# KiCad board haptic display 8x8 aisler.kicad_pcb (continued)
## Routing (per net, layer and track width the routed paths; a pad name or vN(x,y) marks a point on that pad's centre or on a via; arc(x,y) is an arc through that point) (continued)
  In2.Cu w0.15: 65.41,123.98 65.36,123.96 65,123.6 65,123.55 64.79,123.56 64.59,123.6 64.39,123.67 64.2,123.76 64.03,123.88 63.88,124.03 63.75,124.19 63.64,124.38 63.56,124.58 63.51,124.79 63.49,125 63.5,125.22 63.54,125.43 63.61,125.64 63.71,125.83 63.84,126.01 63.99,126.17 64.16,126.31 64.35,126.42 64.56,126.5 64.78,126.55 65,126.58 65.22,126.56 65.45,126.52 65.66,126.45 65.86,126.34 66.05,126.21 66.22,126.05 66.36,125.87 66.47,125.67 66.56,125.46 66.62,125.23 66.64,125 66.63,124.77 66.58,124.54 66.51,124.31 66.4,124.1 66.26,123.91 66.09,123.74 65.91,123.59 65.7,123.47 65.48,123.38 65.24,123.32 65,123.3 64.78,123.31 64.56,123.35 64.34,123.41 64.14,123.51 63.95,123.63 63.78,123.78 63.62,123.94 63.49,124.13 63.39,124.33 63.31,124.55 63.26,124.77 63.24,125 63.25,125.23 63.29,125.46 63.36,125.68 63.46,125.89 63.58,126.09 63.73,126.27 63.9,126.43 64.1,126.56 64.31,126.67 64.53,126.75 64.76,126.8 65,126.83 65.24,126.81 65.48,126.77 65.7,126.7 65.92,126.6 66.13,126.47 66.31,126.31 66.48,126.13 66.62,125.93 66.73,125.72 66.81,125.49 66.87,125.25 66.89,125 66.88,124.75 66.83,124.51 66.76,124.27 66.65,124.05 66.52,123.84 66.36,123.64 66.17,123.47 65.96,123.33 65.74,123.21 65.5,123.13 65.25,123.07 65,123.05 64.76,123.06 64.53,123.1 64.3,123.16 64.08,123.26 63.88,123.38 63.69,123.52 63.52,123.68 63.36,123.87 63.24,124.07 63.13,124.29 63.06,124.52 63.01,124.76 62.99,125 63,125.24 63.04,125.48 63.1,125.72 63.2,125.94 63.32,126.16 63.47,126.35 63.64,126.53 63.83,126.69 64.04,126.82 64.27,126.93 64.51,127.01 64.75,127.06 65,127.08 65.25,127.06 65.5,127.02 65.74,126.95 65.97,126.85 66.19,126.73 66.4,126.57 66.58,126.4 66.74,126.2 66.88,125.98 66.99,125.75 67.07,125.51 67.12,125.26 67.14,125 67.13,124.74 67.08,124.49 67.01,124.24 66.91,124 66.78,123.77 66.62,123.56 66.44,123.37 66.24,123.21 66.01,123.07 65.78,122.96 65.52,122.87 65.26,122.82 65,122.8 64.75,122.81 64.51,122.85 64.27,122.91 64.04,123 63.82,123.12 63.61,123.26 63.42,123.42 63.25,123.61 63.1,123.81 62.98,124.03 62.88,124.26 62.8,124.5 62.76,124.75 62.74,125 62.75,125.25 62.79,125.51 62.85,125.75 62.95,125.99 63.07,126.22 63.21,126.43 63.38,126.62 63.57,126.8 63.77,126.95 64,127.08 64.24,127.18 64.48,127.26 64.74,127.31 65,127.33 65.26,127.31 65.52,127.28 65.77,127.21 66.02,127.11 66.25,126.99 66.47,126.84 66.67,126.67 66.85,126.47 67,126.26 67.13,126.03 67.24,125.78 67.32,125.53 67.37,125.27 67.39,125 67.38,124.73 67.34,124.47 67.27,124.21 67.17,123.96 67.04,123.72 66.89,123.49 66.71,123.29 66.51,123.11 66.29,122.94 66.06,122.81 65.8,122.7 65.54,122.62 65.27,122.57 65,122.55 64.74,122.56 64.49,122.6 64.24,122.66 64,122.75 63.76,122.86 63.55,123 63.34,123.16 63.15,123.34 62.99,123.54 62.84,123.75 62.72,123.98 62.62,124.23 62.55,124.48 62.51,124.74 62.49,125 62.5,125.26 62.53,125.52 62.6,125.78 62.69,126.03 62.81,126.27 62.95,126.49 63.11,126.7 63.3,126.89 63.5,127.06 63.72,127.21 63.96,127.34 64.21,127.44 64.47,127.51 64.73,127.56 65,127.58 65.27,127.57 65.54,127.53 65.8,127.46 66.05,127.37 66.3,127.25 66.53,127.1 66.74,126.94 66.94,126.75 67.11,126.54 67.27,126.31 67.39,126.07 67.5,125.81 67.57,125.55 67.62,125.28 67.64,125 67.63,124.72 67.59,124.45 67.52,124.18 67.42,123.92 67.3,123.67 67.15,123.44 66.98,123.22 66.79,123.02 66.57,122.84 66.34,122.68 66.09,122.55 65.83,122.44 65.56,122.37 65.28,122.32 65,122.3 64.73,122.31 64.47,122.34 64.21,122.41 63.96,122.49 63.72,122.6 63.49,122.74 63.27,122.89 63.07,123.07 62.89,123.26 62.72,123.48 62.58,123.71 62.46,123.95 62.37,124.2 62.3,124.46 62.25,124.73 62.24,125 62.25,125.27 62.28,125.54 62.35,125.81 62.43,126.06 62.55,126.31 62.68,126.55 62.84,126.77 63.02,126.98 63.23,127.16 63.44,127.33 63.68,127.47 63.92,127.6 64.18,127.69 64.45,127.76 64.72,127.81 65,127.83 65.28,127.82 65.55,127.78 65.82,127.71 66.09,127.62 66.34,127.51 66.58,127.37 66.81,127.2 67.02,127.02 67.21,126.81 67.38,126.59 67.53,126.35 67.65,126.1 67.75,125.83 67.82,125.56 67.87,125.28 67.89,125 67.88,124.72 67.84,124.44 67.77,124.16 67.68,123.89 67.56,123.63 67.42,123.38 67.25,123.15 67.06,122.94 66.85,122.74 66.63,122.57 66.38,122.42 66.12,122.29 65.85,122.19 65.57,122.11 65.29,122.07 65,122.05 64.73,122.06 64.46,122.09 64.19,122.15 63.93,122.24 63.68,122.34 63.44,122.47 63.21,122.63 62.99,122.8 62.8,122.99 62.62,123.2 62.46,123.43 62.32,123.67 62.2,123.92 62.11,124.18 62.05,124.45 62,124.72 61.99,125 62,125.28 62.03,125.55 62.09,125.83 62.18,126.09 62.29,126.35 62.42,126.6 62.58,126.83 62.75,127.05 62.95,127.25 63.16,127.43 63.39,127.6 63.64,127.74 63.89,127.85 64.16,127.95 64.44,128.02 64.72,128.06 65,128.07 65.28,128.07 65.57,128.03 65.84,127.97 66.12,127.88 66.38,127.77 66.63,127.63 66.87,127.47 67.09,127.29 67.3,127.09 67.48,126.88 67.65,126.64 67.79,126.39 67.91,126.13 68.01,125.86 68.08,125.58 68.12,125.29 68.14,125 68.13,124.71 68.09,124.42 68.03,124.14 67.94,123.86 67.83,123.59 67.69,123.34 67.52,123.09 67.34,122.87 67.14,122.66 66.91,122.47 66.67,122.3 66.42,122.15 66.15,122.03 65.87,121.93 65.59,121.86 65.29,121.82 65,121.8 64.72,121.81 64.44,121.84 64.17,121.9 63.9,121.98 63.64,122.08 63.39,122.21 63.15,122.36 62.93,122.53 62.72,122.72 62.52,122.92 62.35,123.14 62.19,123.38 62.06,123.63 61.95,123.89 61.86,124.16 61.79,124.43 61.75,124.72 61.74,125 61.75,125.28 61.78,125.57 61.84,125.85 61.92,126.12 62.03,126.39 62.16,126.64 62.31,126.89 62.48,127.11 62.67,127.33 62.88,127.53 63.11,127.7 63.35,127.86 63.6,128 63.87,128.11 64.14,128.2 64.42,128.27 64.71,128.31 65,128.32 65.29,128.32 65.58,128.28 65.86,128.22 66.14,128.14 66.41,128.03 66.67,127.9 66.92,127.74 67.16,127.57 67.37,127.37 67.57,127.16 67.75,126.93 67.92,126.68 68.05,126.42 68.17,126.15 68.26,125.87 68.33,125.59 68.37,125.29 68.39,125 68.38,124.7 68.34,124.41 68.28,124.12 68.2,123.84 68.09,123.56 67.95,123.3 67.79,123.04 67.62,122.8 67.42,122.58 67.2,122.38 66.96,122.19 66.71,122.03 66.45,121.89 66.18,121.77 65.89,121.68 65.6,121.61 65.3,121.57 65,121.55 64.71,121.56 64.43,121.59 64.15,121.65 63.88,121.72 63.61,121.83 63.35,121.95 63.1,122.09 62.86,122.26 62.64,122.44 62.44,122.64 62.25,122.86 62.08,123.09 61.93,123.34 61.8,123.6 61.69,123.86 61.6,124.14 61.54,124.42 61.5,124.71 61.49,125 61.5,125.29 61.53,125.58 61.59,125.86 61.67,126.14 61.77,126.42 61.89,126.68 62.04,126.93 62.21,127.17 62.39,127.4 62.6,127.61 62.82,127.8 63.06,127.97 63.31,128.13 63.57,128.26 63.84,128.37 64.12,128.46 64.41,128.52 64.71,128.56 65,128.57 65.3,128.57 65.59,128.53 65.88,128.48 66.17,128.39 66.44,128.29 66.71,128.16 66.97,128.01 67.21,127.84 67.44,127.65 67.65,127.44 67.85,127.22 68.03,126.98 68.18,126.72 68.32,126.45 68.43,126.18 68.52,125.89 68.58,125.6 68.62,125.3 68.64,125 68.63,124.7 68.59,124.4 68.54,124.1 68.45,123.81 68.35,123.53 68.22,123.26 68.06,123 67.89,122.75 67.7,122.52 67.49,122.3 67.26,122.1 67.01,121.92 66.75,121.76 66.48,121.63 66.2,121.51 65.91,121.42 65.61,121.36 65.31,121.32 65,121.3 64.71,121.31 64.42,121.34 64.13,121.39 63.85,121.47 63.58,121.57 63.31,121.69 63.06,121.83 62.81,121.99 62.58,122.17 62.36,122.36 62.16,122.57 61.98,122.8 61.81,123.05 61.66,123.3 61.54,123.57 61.43,123.84 61.35,124.12 61.29,124.41 61.25,124.71 61.24,125 61.25,125.3 61.28,125.59 61.33,125.88 61.41,126.17 61.51,126.45 61.63,126.72 61.77,126.98 61.94,127.23 62.12,127.46 62.32,127.68 62.53,127.89 62.77,128.07 63.01,128.24 63.27,128.39 63.54,128.52 63.82,128.63 64.11,128.71 64.4,128.77 64.7,128.81 65,128.82 65.3,128.82 65.6,128.78 65.9,128.73 66.19,128.65 66.47,128.55 66.75,128.42 67.01,128.28 67.26,128.11 67.5,127.93 67.73,127.73 67.93,127.51 68.12,127.27 68.3,127.02 68.45,126.76 68.58,126.48 68.69,126.2 68.77,125.91 68.83,125.61 68.87,125.3 68.89,125 68.88,124.69 68.85,124.39 68.79,124.09 68.71,123.79 68.61,123.51 68.48,123.23 68.33,122.96 68.17,122.7 67.98,122.46 67.77,122.23 67.55,122.02 67.31,121.82 67.05,121.65 66.78,121.5 66.51,121.37 66.22,121.26 65.92,121.17 65.62,121.1 65.31,121.07 65,121.05 64.7,121.06 64.41,121.09 64.12,121.14 63.83,121.21 63.55,121.31 63.28,121.43 63.01,121.56 62.76,121.72 62.52,121.89 62.29,122.08 62.08,122.29 61.88,122.51 61.7,122.75 61.54,123 61.4,123.27 61.28,123.54 61.18,123.82 61.1,124.11 61.04,124.4 61,124.7 60.99,125 61,125.3 61.03,125.6 61.08,125.89 61.15,126.19 61.25,126.47 61.37,126.75 61.51,127.02 61.67,127.27 61.84,127.52 62.04,127.75 62.25,127.97 62.48,128.17 62.72,128.35 62.97,128.51 63.24,128.66 63.52,128.78 63.8,128.88 64.1,128.96 64.39,129.02 64.7,129.06 65,129.07 65.3,129.07 65.61,129.04 65.91,128.98 66.2,128.91 66.49,128.81 66.78,128.69 67.05,128.55 67.31,128.39 67.56,128.21 67.79,128.01 68.01,127.79 68.21,127.56 68.4,127.32 68.57,127.06 68.71,126.79 68.84,126.51 68.94,126.22 69.03,125.92 69.09,125.62 69.12,125.31 69.14,125 69.13,124.69 69.1,124.38 69.04,124.08 68.97,123.78 68.87,123.48 68.74,123.2 68.6,122.92 68.44,122.66 68.26,122.4 68.05,122.17 67.84,121.94 67.6,121.74 67.35,121.55 67.09,121.38 66.81,121.23 66.53,121.1 66.23,121 65.93,120.91 65.63,120.85 65.31,120.81 65,120.8 64.7,120.81 64.4,120.84 64.11,120.89 63.81,120.96 63.53,121.05 63.25,121.16 62.98,121.3 62.72,121.45 62.47,121.62 62.23,121.8 62.01,122.01 61.8,122.23 61.61,122.46 61.43,122.71 61.28,122.97 61.14,123.24 61.02,123.52 60.92,123.8 60.84,124.1 60.79,124.39 60.75,124.7 60.74,125 60.75,125.3 60.78,125.61 60.83,125.91 60.9,126.2 60.99,126.49 61.11,126.78 61.24,127.05 61.4,127.32 61.57,127.57 61.76,127.81 61.96,128.04 62.19,128.25 62.42,128.44 62.67,128.62 62.94,128.78 63.21,128.92 63.49,129.04 63.78,129.14 64.08,129.22 64.39,129.28 64.69,129.31 65,129.32 65.31,129.32 65.62,129.29 65.92,129.23 66.22,129.16 66.52,129.07 66.8,128.95 67.08,128.81 67.35,128.66 67.61,128.48 67.85,128.29 68.08,128.08 68.29,127.85 68.49,127.61 68.67,127.36 68.83,127.09 68.98,126.82 69.1,126.53 69.2,126.23 69.28,125.93 69.34,125.62 69.37,125.31 69.39,125 69.38,124.69 69.35,124.37 69.3,124.07 69.22,123.76 69.12,123.46 69.01,123.17 68.87,122.89 68.71,122.62 68.53,122.36 68.34,122.11 68.12,121.88 67.9,121.66 67.65,121.46 67.39,121.28 67.12,121.11 66.84,120.97 66.55,120.84 66.25,120.74 65.94,120.66 65.63,120.6 65.32,120.56 65,120.55 65,120.35 v1(65.35,120) ; 65.41,108.98 65.36,108.96 65,108.6 65,108.55 64.79,108.56 64.59,108.6 64.39,108.67 64.2,108.76 64.03,108.88 63.88,109.03 63.75,109.19 63.64,109.38 63.56,109.58 63.51,109.79 63.49,110 63.5,110.22 63.54,110.43 63.61,110.64 63.71,110.83 63.84,111.01 63.99,111.17 64.16,111.31 64.35,111.42 64.56,111.5 64.78,111.55 65,111.58 65.22,111.56 65.45,111.52 65.66,111.45 65.86,111.34 66.05,111.21 66.22,111.05 66.36,110.87 66.47,110.67 66.56,110.46 66.62,110.23 66.64,110 66.63,109.77 66.58,109.54 66.51,109.31 66.4,109.1 66.26,108.91 66.09,108.74 65.91,108.59 65.7,108.47 65.48,108.38 65.24,108.32 65,108.3 64.78,108.31 64.56,108.35 64.34,108.41 64.14,108.51 63.95,108.63 63.78,108.78 63.62,108.94 63.49,109.13 63.39,109.33 63.31,109.55 63.26,109.77 63.24,110 63.25,110.23 63.29,110.46 63.36,110.68 63.46,110.89 63.58,111.09 63.73,111.27 63.9,111.43 64.1,111.56 64.31,111.67 64.53,111.75 64.76,111.8 65,111.83 65.24,111.81 65.48,111.77 65.7,111.7 65.92,111.6 66.13,111.47 66.31,111.31 66.48,111.13 66.62,110.93 66.73,110.72 66.81,110.49 66.87,110.25 66.89,110 66.88,109.75 66.83,109.51 66.76,109.27 66.65,109.05 66.52,108.84 66.36,108.64 66.17,108.47 65.96,108.33 65.74,108.21 65.5,108.13 65.25,108.07 65,108.05 64.76,108.06 64.53,108.1 64.3,108.16 64.08,108.26 63.88,108.38 63.69,108.52 63.52,108.68 63.36,108.87 63.24,109.07 63.13,109.29 63.06,109.52 63.01,109.76 62.99,110 63,110.24 63.04,110.48 63.1,110.72 63.2,110.94 63.32,111.16 63.47,111.35 63.64,111.53 63.83,111.69 64.04,111.82 64.27,111.93 64.51,112.01 64.75,112.06 65,112.08 65.25,112.06 65.5,112.02 65.74,111.95 65.97,111.85 66.19,111.73 66.4,111.57 66.58,111.4 66.74,111.2 66.88,110.98 66.99,110.75 67.07,110.51 67.12,110.26 67.14,110 67.13,109.74 67.08,109.49 67.01,109.24 66.91,109 66.78,108.77 66.62,108.56 66.44,108.37 66.24,108.21 66.01,108.07 65.78,107.96 65.52,107.87 65.26,107.82 65,107.8 64.75,107.81 64.51,107.85 64.27,107.91 64.04,108 63.82,108.12 63.61,108.26 63.42,108.42 63.25,108.61 63.1,108.81 62.98,109.03 62.88,109.26 62.8,109.5 62.76,109.75 62.74,110 62.75,110.25 62.79,110.51 62.85,110.75 62.95,110.99 63.07,111.22 63.21,111.43 63.38,111.62 63.57,111.8 63.77,111.95 64,112.08 64.24,112.18 64.48,112.26 64.74,112.31 65,112.33 65.26,112.31 65.52,112.28 65.77,112.21 66.02,112.11 66.25,111.99 66.47,111.84 66.67,111.67 66.85,111.47 67,111.26 67.13,111.03 67.24,110.78 67.32,110.53 67.37,110.27 67.39,110 67.38,109.73 67.34,109.47 67.27,109.21 67.17,108.96 67.04,108.72 66.89,108.49 66.71,108.29 66.51,108.11 66.29,107.94 66.06,107.81 65.8,107.7 65.54,107.62 65.27,107.57 65,107.55 64.74,107.56 64.49,107.6 64.24,107.66 64,107.75 63.76,107.86 63.55,108 63.34,108.16 63.15,108.34 62.99,108.54 62.84,108.75 62.72,108.98 62.62,109.23 62.55,109.48 62.51,109.74 62.49,110 62.5,110.26 62.53,110.52 62.6,110.78 62.69,111.03 62.81,111.27 62.95,111.49 63.11,111.7 63.3,111.89 63.5,112.06 63.72,112.21 63.96,112.34 64.21,112.44 64.47,112.51 64.73,112.56 65,112.58 65.27,112.57 65.54,112.53 65.8,112.46 66.05,112.37 66.3,112.25 66.53,112.1 66.74,111.94 66.94,111.75 67.11,111.54 67.27,111.31 67.39,111.07 67.5,110.81 67.57,110.55 67.62,110.28 67.64,110 67.63,109.72 67.59,109.45 67.52,109.18 67.42,108.92 67.3,108.67 67.15,108.44 66.98,108.22 66.79,108.02 66.57,107.84 66.34,107.68 66.09,107.55 65.83,107.44 65.56,107.37 65.28,107.32 65,107.3 64.73,107.31 64.47,107.34 64.21,107.41 63.96,107.49 63.72,107.6 63.49,107.74 63.27,107.89 63.07,108.07 62.89,108.26 62.72,108.48 62.58,108.71 62.46,108.95 62.37,109.2 62.3,109.46 62.25,109.73 62.24,110 62.25,110.27 62.28,110.54 62.35,110.81 62.43,111.06 62.55,111.31 62.68,111.55 62.84,111.77 63.02,111.98 63.23,112.16 63.44,112.33 63.68,112.47 63.92,112.6 64.18,112.69 64.45,112.76 64.72,112.81 65,112.83 65.28,112.82 65.55,112.78 65.82,112.71 66.09,112.62 66.34,112.51 66.58,112.37 66.81,112.2 67.02,112.02 67.21,111.81 67.38,111.59 67.53,111.35 67.65,111.1 67.75,110.83 67.82,110.56 67.87,110.28 67.89,110 67.88,109.72 67.84,109.44 67.77,109.16 67.68,108.89 67.56,108.63 67.42,108.38 67.25,108.15 67.06,107.94 66.85,107.74 66.63,107.57 66.38,107.42 66.12,107.29 65.85,107.19 65.57,107.11 65.29,107.07 65,107.05 64.73,107.06 64.46,107.09 64.19,107.15 63.93,107.24 63.68,107.34 63.44,107.47 63.21,107.63 62.99,107.8 62.8,107.99 62.62,108.2 62.46,108.43 62.32,108.67 62.2,108.92 62.11,109.18 62.05,109.45 62,109.72 61.99,110 62,110.28 62.03,110.55 62.09,110.83 62.18,111.09 62.29,111.35 62.42,111.6 62.58,111.83 62.75,112.05 62.95,112.25 63.16,112.43 63.39,112.6 63.64,112.74 63.89,112.85 64.16,112.95 64.44,113.02 64.72,113.06 65,113.08 65.28,113.07 65.57,113.03 65.84,112.97 66.12,112.88 66.38,112.77 66.63,112.63 66.87,112.47 67.09,112.29 67.3,112.09 67.48,111.88 67.65,111.64 67.79,111.39 67.91,111.13 68.01,110.86 68.08,110.58 68.12,110.29 68.14,110 68.13,109.71 68.09,109.42 68.03,109.14 67.94,108.86 67.83,108.59 67.69,108.34 67.52,108.09 67.34,107.87 67.14,107.66 66.91,107.47 66.67,107.3 66.42,107.15 66.15,107.03 65.87,106.93 65.59,106.86 65.29,106.82 65,106.8 64.72,106.81 64.44,106.84 64.17,106.9 63.9,106.98 63.64,107.08 63.39,107.21 63.15,107.36 62.93,107.53 62.72,107.72 62.52,107.92 62.35,108.14 62.19,108.38 62.06,108.63 61.95,108.89 61.86,109.16 61.79,109.43 61.75,109.72 61.74,110 61.75,110.28 61.78,110.57 61.84,110.85 61.92,111.12 62.03,111.39 62.16,111.64 62.31,111.89 62.48,112.11 62.67,112.33 62.88,112.53 63.11,112.7 63.35,112.86 63.6,113 63.87,113.11 64.14,113.2 64.42,113.27 64.71,113.31 65,113.33 65.29,113.32 65.58,113.28 65.86,113.22 66.14,113.14 66.41,113.03 66.67,112.9 66.92,112.74 67.16,112.57 67.37,112.37 67.57,112.16 67.75,111.93 67.92,111.68 68.05,111.42 68.17,111.15 68.26,110.87 68.33,110.59 68.37,110.29 68.39,110 68.38,109.7 68.34,109.41 68.28,109.12 68.2,108.84 68.09,108.56 67.95,108.3 67.79,108.04 67.62,107.8 67.42,107.58 67.2,107.38 66.96,107.19 66.71,107.03 66.45,106.89 66.18,106.77 65.89,106.68 65.6,106.61 65.3,106.57 65,106.55 64.71,106.56 64.43,106.59 64.15,106.65 63.88,106.72 63.61,106.83 63.35,106.95 63.1,107.09 62.86,107.26 62.64,107.44 62.44,107.64 62.25,107.86 62.08,108.09 61.93,108.34 61.8,108.6 61.69,108.86 61.6,109.14 61.54,109.42 61.5,109.71 61.49,110 61.5,110.29 61.53,110.58 61.59,110.86 61.67,111.14 61.77,111.42 61.89,111.68 62.04,111.93 62.21,112.17 62.39,112.4 62.6,112.61 62.82,112.8 63.06,112.97 63.31,113.13 63.57,113.26 63.84,113.37 64.12,113.46 64.41,113.52 64.71,113.56 65,113.58 65.3,113.57 65.59,113.53 65.88,113.48 66.17,113.39 66.44,113.29 66.71,113.16 66.97,113.01 67.21,112.84 67.44,112.65 67.65,112.44 67.85,112.22 68.03,111.98 68.18,111.72 68.32,111.45 68.43,111.18 68.52,110.89 68.58,110.6 68.62,110.3 68.64,110 68.63,109.7 68.59,109.4 68.54,109.1 68.45,108.81 68.35,108.53 68.22,108.26 68.06,108 67.89,107.75 67.7,107.52 67.49,107.3 67.26,107.1 67.01,106.92 66.75,106.76 66.48,106.63 66.2,106.51 65.91,106.42 65.61,106.36 65.31,106.32 65,106.3 64.71,106.31 64.42,106.34 64.13,106.39 63.85,106.47 63.58,106.57 63.31,106.69 63.06,106.83 62.81,106.99 62.58,107.17 62.36,107.36 62.16,107.57 61.98,107.8 61.81,108.05 61.66,108.3 61.54,108.57 61.43,108.84 61.35,109.12 61.29,109.41 61.25,109.71 61.24,110 61.25,110.3 61.28,110.59 61.33,110.88 61.41,111.17 61.51,111.45 61.63,111.72 61.77,111.98 61.94,112.23 62.12,112.46 62.32,112.68 62.53,112.89 62.77,113.07 63.01,113.24 63.27,113.39 63.54,113.52 63.82,113.63 64.11,113.71 64.4,113.77 64.7,113.81 65,113.83 65.3,113.82 65.6,113.78 65.9,113.73 66.19,113.65 66.47,113.55 66.75,113.42 67.01,113.28 67.26,113.11 67.5,112.93 67.73,112.73 67.93,112.51 68.12,112.27 68.3,112.02 68.45,111.76 68.58,111.48 68.69,111.2 68.77,110.91 68.83,110.61 68.87,110.3 68.89,110 68.88,109.69 68.85,109.39 68.79,109.09 68.71,108.79 68.61,108.51 68.48,108.23 68.33,107.96 68.17,107.7 67.98,107.46 67.77,107.23 67.55,107.02 67.31,106.82 67.05,106.65 66.78,106.5 66.51,106.37 66.22,106.26 65.92,106.17 65.62,106.1 65.31,106.07 65,106.05 64.7,106.06 64.41,106.09 64.12,106.14 63.83,106.21 63.55,106.31 63.28,106.43 63.01,106.56 62.76,106.72 62.52,106.89 62.29,107.08 62.08,107.29 61.88,107.51 61.7,107.75 61.54,108 61.4,108.27 61.28,108.54 61.18,108.82 61.1,109.11 61.04,109.4 61,109.7 60.99,110 61,110.3 61.03,110.6 61.08,110.89 61.15,111.19 61.25,111.47 61.37,111.75 61.51,112.02 61.67,112.27 61.84,112.52 62.04,112.75 62.25,112.97 62.48,113.17 62.72,113.35 62.97,113.51 63.24,113.66 63.52,113.78 63.8,113.88 64.1,113.96 64.39,114.02 64.7,114.06 65,114.08 65.3,114.07 65.61,114.04 65.91,113.98 66.2,113.91 66.49,113.81 66.78,113.69 67.05,113.55 67.31,113.39 67.56,113.21 67.79,113.01 68.01,112.79 68.21,112.56 68.4,112.32 68.57,112.06 68.71,111.79 68.84,111.51 68.94,111.22 69.03,110.92 69.09,110.62 69.12,110.31 69.14,110 69.13,109.69 69.1,109.38 69.04,109.08 68.97,108.78 68.87,108.48 68.74,108.2 68.6,107.92 68.44,107.66 68.26,107.4 68.05,107.17 67.84,106.94 67.6,106.74 67.35,106.55 67.09,106.38 66.81,106.23 66.53,106.1 66.23,106 65.93,105.91 65.63,105.85 65.31,105.81 65,105.8 64.7,105.81 64.4,105.84 64.11,105.89 63.81,105.96 63.53,106.05 63.25,106.16 62.98,106.3 62.72,106.45 62.47,106.62 62.23,106.8 62.01,107.01 61.8,107.23 61.61,107.46 61.43,107.71 61.28,107.97 61.14,108.24 61.02,108.52 60.92,108.8 60.84,109.1 60.79,109.39 60.75,109.7 60.74,110 60.75,110.3 60.78,110.61 60.83,110.91 60.9,111.2 60.99,111.49 61.11,111.78 61.24,112.05 61.4,112.32 61.57,112.57 61.76,112.81 61.96,113.04 62.19,113.25 62.42,113.44 62.67,113.62 62.94,113.78 63.21,113.92 63.49,114.04 63.78,114.14 64.08,114.22 64.39,114.28 64.69,114.31 65,114.33 65.31,114.32 65.62,114.29 65.92,114.23 66.22,114.16 66.52,114.07 66.8,113.95 67.08,113.81 67.35,113.66 67.61,113.48 67.85,113.29 68.08,113.08 68.29,112.85 68.49,112.61 68.67,112.36 68.83,112.09 68.98,111.82 69.1,111.53 69.2,111.23 69.28,110.93 69.34,110.62 69.37,110.31 69.39,110 69.38,109.69 69.35,109.37 69.3,109.07 69.22,108.76 69.12,108.46 69.01,108.17 68.87,107.89 68.71,107.62 68.53,107.36 68.34,107.11 68.12,106.88 67.9,106.66 67.65,106.46 67.39,106.28 67.12,106.11 66.84,105.97 66.55,105.84 66.25,105.74 65.94,105.66 65.63,105.6 65.32,105.56 65,105.55 65,105.35 v1(65.35,105) ; 65.41,93.98 65.36,93.96 65,93.6 65,93.55 64.79,93.56 64.59,93.6 64.39,93.67 64.2,93.76 64.03,93.88 63.88,94.03 63.75,94.19 63.64,94.38 63.56,94.58 63.51,94.79 63.49,95 63.5,95.22 63.54,95.43 63.61,95.64 63.71,95.83 63.84,96.01 63.99,96.17 64.16,96.31 64.35,96.42 64.56,96.5 64.78,96.55 65,96.58 65.22,96.56 65.45,96.52 65.66,96.45 65.86,96.34 66.05,96.21 66.22,96.05 66.36,95.87 66.47,95.67 66.56,95.46 66.62,95.23 66.64,95 66.63,94.77 66.58,94.54 66.51,94.31 66.4,94.1 66.26,93.91 66.09,93.74 65.91,93.59 65.7,93.47 65.48,93.38 65.24,93.32 65,93.3 64.78,93.31 64.56,93.35 64.34,93.41 64.14,93.51 63.95,93.63 63.78,93.78 63.62,93.94 63.49,94.13 63.39,94.33 63.31,94.55 63.26,94.77 63.24,95 63.25,95.23 63.29,95.46 63.36,95.68 63.46,95.89 63.58,96.09 63.73,96.27 63.9,96.43 64.1,96.56 64.31,96.67 64.53,96.75 64.76,96.8 65,96.83 65.24,96.81 65.48,96.77 65.7,96.7 65.92,96.6 66.13,96.47 66.31,96.31 66.48,96.13 66.62,95.93 66.73,95.72 66.81,95.49 66.87,95.25 66.89,95 66.88,94.75 66.83,94.51 66.76,94.27 66.65,94.05 66.52,93.84 66.36,93.64 66.17,93.47 65.96,93.33 65.74,93.21 65.5,93.13 65.25,93.07 65,93.05 64.76,93.06 64.53,93.1 64.3,93.16 64.08,93.26 63.88,93.38 63.69,93.52 63.52,93.68 63.36,93.87 63.24,94.07 63.13,94.29 63.06,94.52 63.01,94.76 62.99,95 63,95.24 63.04,95.48 63.1,95.72 63.2,95.94 63.32,96.16 63.47,96.35 63.64,96.53 63.83,96.69 64.04,96.82 64.27,96.93 64.51,97.01 64.75,97.06 65,97.08 65.25,97.06 65.5,97.02 65.74,96.95 65.97,96.85 66.19,96.73 66.4,96.57 66.58,96.4 66.74,96.2 66.88,95.98 66.99,95.75 67.07,95.51 67.12,95.26 67.14,95 67.13,94.74 67.08,94.49 67.01,94.24 66.91,94 66.78,93.77 66.62,93.56 66.44,93.37 66.24,93.21 66.01,93.07 65.78,92.96 65.52,92.87 65.26,92.82 65,92.8 64.75,92.81 64.51,92.85 64.27,92.91 64.04,93 63.82,93.12 63.61,93.26 63.42,93.42 63.25,93.61 63.1,93.81 62.98,94.03 62.88,94.26 62.8,94.5 62.76,94.75 62.74,95 62.75,95.25 62.79,95.51 62.85,95.75 62.95,95.99 63.07,96.22 63.21,96.43 63.38,96.62 63.57,96.8 63.77,96.95 64,97.08 64.24,97.18 64.48,97.26 64.74,97.31 65,97.33 65.26,97.31 65.52,97.28 65.77,97.21 66.02,97.11 66.25,96.99 66.47,96.84 66.67,96.67 66.85,96.47 67,96.26 67.13,96.03 67.24,95.78 67.32,95.53 67.37,95.27 67.39,95 67.38,94.73 67.34,94.47 67.27,94.21 67.17,93.96 67.04,93.72 66.89,93.49 66.71,93.29 66.51,93.11 66.29,92.94 66.06,92.81 65.8,92.7 65.54,92.62 65.27,92.57 65,92.55 64.74,92.56 64.49,92.6 64.24,92.66 64,92.75 63.76,92.86 63.55,93 63.34,93.16 63.15,93.34 62.99,93.54 62.84,93.75 62.72,93.98 62.62,94.23 62.55,94.48 62.51,94.74 62.49,95 62.5,95.26 62.53,95.52 62.6,95.78 62.69,96.03 62.81,96.27 62.95,96.49 63.11,96.7 63.3,96.89 63.5,97.06 63.72,97.21 63.96,97.34 64.21,97.44 64.47,97.51 64.73,97.56 65,97.58 65.27,97.57 65.54,97.53 65.8,97.46 66.05,97.37 66.3,97.25 66.53,97.1 66.74,96.94 66.94,96.75 67.11,96.54 67.27,96.31 67.39,96.07 67.5,95.81 67.57,95.55 67.62,95.28 67.64,95 67.63,94.72 67.59,94.45 67.52,94.18 67.42,93.92 67.3,93.67 67.15,93.44 66.98,93.22 66.79,93.02 66.57,92.84 66.34,92.68 66.09,92.55 65.83,92.44 65.56,92.37 65.28,92.32 65,92.3 64.73,92.31 64.47,92.34 64.21,92.41 63.96,92.49 63.72,92.6 63.49,92.74 63.27,92.89 63.07,93.07 62.89,93.26 62.72,93.48 62.58,93.71 62.46,93.95 62.37,94.2 62.3,94.46 62.25,94.73 62.24,95 62.25,95.27 62.28,95.54 62.35,95.81 62.43,96.06 62.55,96.31 62.68,96.55 62.84,96.77 63.02,96.98 63.23,97.16 63.44,97.33 63.68,97.47 63.92,97.6 64.18,97.69 64.45,97.76 64.72,97.81 65,97.83 65.28,97.82 65.55,97.78 65.82,97.71 66.09,97.62 66.34,97.51 66.58,97.37 66.81,97.2 67.02,97.02 67.21,96.81 67.38,96.59 67.53,96.35 67.65,96.1 67.75,95.83 67.82,95.56 67.87,95.28 67.89,95 67.88,94.72 67.84,94.44 67.77,94.16 67.68,93.89 67.56,93.63 67.42,93.38 67.25,93.15 67.06,92.94 66.85,92.74 66.63,92.57 66.38,92.42 66.12,92.29 65.85,92.19 65.57,92.11 65.29,92.07 65,92.05 64.73,92.06 64.46,92.09 64.19,92.15 63.93,92.24 63.68,92.34 63.44,92.47 63.21,92.63 62.99,92.8 62.8,92.99 62.62,93.2 62.46,93.43 62.32,93.67 62.2,93.92 62.11,94.18 62.05,94.45 62,94.72 61.99,95 62,95.28 62.03,95.55 62.09,95.83 62.18,96.09 62.29,96.35 62.42,96.6 62.58,96.83 62.75,97.05 62.95,97.25 63.16,97.43 63.39,97.6 63.64,97.74 63.89,97.85 64.16,97.95 64.44,98.02 64.72,98.06 65,98.08 65.28,98.07 65.57,98.03 65.84,97.97 66.12,97.88 66.38,97.77 66.63,97.63 66.87,97.47 67.09,97.29 67.3,97.09 67.48,96.88 67.65,96.64 67.79,96.39 67.91,96.13 68.01,95.86 68.08,95.58 68.12,95.29 68.14,95 68.13,94.71 68.09,94.42 68.03,94.14 67.94,93.86 67.83,93.59 67.69,93.34 67.52,93.09 67.34,92.87 67.14,92.66 66.91,92.47 66.67,92.3 66.42,92.15 66.15,92.03 65.87,91.93 65.59,91.86 65.29,91.82 65,91.8 64.72,91.81 64.44,91.84 64.17,91.9 63.9,91.98 63.64,92.08 63.39,92.21 63.15,92.36 62.93,92.53 62.72,92.72 62.52,92.92 62.35,93.14 62.19,93.38 62.06,93.63 61.95,93.89 61.86,94.16 61.79,94.43 61.75,94.72 61.74,95 61.75,95.28 61.78,95.57 61.84,95.85 61.92,96.12 62.03,96.39 62.16,96.64 62.31,96.89 62.48,97.11 62.67,97.33 62.88,97.53 63.11,97.7 63.35,97.86 63.6,98 63.87,98.11 64.14,98.2 64.42,98.27 64.71,98.31 65,98.33 65.29,98.32 65.58,98.28 65.86,98.22 66.14,98.14 66.41,98.03 66.67,97.9 66.92,97.74 67.16,97.57 67.37,97.37 67.57,97.16 67.75,96.93 67.92,96.68 68.05,96.42 68.17,96.15 68.26,95.87 68.33,95.59 68.37,95.29 68.39,95 68.38,94.7 68.34,94.41 68.28,94.12 68.2,93.84 68.09,93.56 67.95,93.3 67.79,93.04 67.62,92.8 67.42,92.58 67.2,92.38 66.96,92.19 66.71,92.03 66.45,91.89 66.18,91.77 65.89,91.68 65.6,91.61 65.3,91.57 65,91.55 64.71,91.56 64.43,91.59 64.15,91.65 63.88,91.72 63.61,91.83 63.35,91.95 63.1,92.09 62.86,92.26 62.64,92.44 62.44,92.64 62.25,92.86 62.08,93.09 61.93,93.34 61.8,93.6 61.69,93.86 61.6,94.14 61.54,94.42 61.5,94.71 61.49,95 61.5,95.29 61.53,95.58 61.59,95.86 61.67,96.14 61.77,96.42 61.89,96.68 62.04,96.93 62.21,97.17 62.39,97.4 62.6,97.61 62.82,97.8 63.06,97.97 63.31,98.13 63.57,98.26 63.84,98.37 64.12,98.46 64.41,98.52 64.71,98.56 65,98.58 65.3,98.57 65.59,98.53 65.88,98.48 66.17,98.39 66.44,98.29 66.71,98.16 66.97,98.01 67.21,97.84 67.44,97.65 67.65,97.44 67.85,97.22 68.03,96.98 68.18,96.72 68.32,96.45 68.43,96.18 68.52,95.89 68.58,95.6 68.62,95.3 68.64,95 68.63,94.7 68.59,94.4 68.54,94.1 68.45,93.81 68.35,93.53 68.22,93.26 68.06,93 67.89,92.75 67.7,92.52 67.49,92.3 67.26,92.1 67.01,91.92 66.75,91.76 66.48,91.63 66.2,91.51 65.91,91.42 65.61,91.36 65.31,91.32 65,91.3 64.71,91.31 64.42,91.34 64.13,91.39 63.85,91.47 63.58,91.57 63.31,91.69 63.06,91.83 62.81,91.99 62.58,92.17 62.36,92.36 62.16,92.57 61.98,92.8 61.81,93.05 61.66,93.3 61.54,93.57 61.43,93.84 61.35,94.12 61.29,94.41 61.25,94.71 61.24,95 61.25,95.3 61.28,95.59 61.33,95.88 61.41,96.17 61.51,96.45 61.63,96.72 61.77,96.98 61.94,97.23 62.12,97.46 62.32,97.68 62.53,97.89 62.77,98.07 63.01,98.24 63.27,98.39 63.54,98.52 63.82,98.63 64.11,98.71 64.4,98.77 64.7,98.81 65,98.83 65.3,98.82 65.6,98.78 65.9,98.73 66.19,98.65 66.47,98.55 66.75,98.42 67.01,98.28 67.26,98.11 67.5,97.93 67.73,97.73 67.93,97.51 68.12,97.27 68.3,97.02 68.45,96.76 68.58,96.48 68.69,96.2 68.77,95.91 68.83,95.61 68.87,95.3 68.89,95 68.88,94.69 68.85,94.39 68.79,94.09 68.71,93.79 68.61,93.51 68.48,93.23 68.33,92.96 68.17,92.7 67.98,92.46 67.77,92.23 67.55,92.02 67.31,91.82 67.05,91.65 66.78,91.5 66.51,91.37 66.22,91.26 65.92,91.17 65.62,91.1 65.31,91.07 65,91.05 64.7,91.06 64.41,91.09 64.12,91.14 63.83,91.21 63.55,91.31 63.28,91.43 63.01,91.56 62.76,91.72 62.52,91.89 62.29,92.08 62.08,92.29 61.88,92.51 61.7,92.75 61.54,93 61.4,93.27 61.28,93.54 61.18,93.82 61.1,94.11 61.04,94.4 61,94.7 60.99,95 61,95.3 61.03,95.6 61.08,95.89 61.15,96.19 61.25,96.47 61.37,96.75 61.51,97.02 61.67,97.27 61.84,97.52 62.04,97.75 62.25,97.97 62.48,98.17 62.72,98.35 62.97,98.51 63.24,98.66 63.52,98.78 63.8,98.88 64.1,98.96 64.39,99.02 64.7,99.06 65,99.08 65.3,99.07 65.61,99.04 65.91,98.98 66.2,98.91 66.49,98.81 66.78,98.69 67.05,98.55 67.31,98.39 67.56,98.21 67.79,98.01 68.01,97.79 68.21,97.56 68.4,97.32 68.57,97.06 68.71,96.79 68.84,96.51 68.94,96.22 69.03,95.92 69.09,95.62 69.12,95.31 69.14,95 69.13,94.69 69.1,94.38 69.04,94.08 68.97,93.78 68.87,93.48 68.74,93.2 68.6,92.92 68.44,92.66 68.26,92.4 68.05,92.17 67.84,91.94 67.6,91.74 67.35,91.55 67.09,91.38 66.81,91.23 66.53,91.1 66.23,91 65.93,90.91 65.63,90.85 65.31,90.81 65,90.8 64.7,90.81 64.4,90.84 64.11,90.89 63.81,90.96 63.53,91.05 63.25,91.16 62.98,91.3 62.72,91.45 62.47,91.62 62.23,91.8 62.01,92.01 61.8,92.23 61.61,92.46 61.43,92.71 61.28,92.97 61.14,93.24 61.02,93.52 60.92,93.8 60.84,94.1 60.79,94.39 60.75,94.7 60.74,95 60.75,95.3 60.78,95.61 60.83,95.91 60.9,96.2 60.99,96.49 61.11,96.78 61.24,97.05 61.4,97.32 61.57,97.57 61.76,97.81 61.96,98.04 62.19,98.25 62.42,98.44 62.67,98.62 62.94,98.78 63.21,98.92 63.49,99.04 63.78,99.14 64.08,99.22 64.39,99.28 64.69,99.31 65,99.33 65.31,99.32 65.62,99.29 65.92,99.23 66.22,99.16 66.52,99.07 66.8,98.95 67.08,98.81 67.35,98.66 67.61,98.48 67.85,98.29 68.08,98.08 68.29,97.85 68.49,97.61 68.67,97.36 68.83,97.09 68.98,96.82 69.1,96.53 69.2,96.23 69.28,95.93 69.34,95.62 69.37,95.31 69.39,95 69.38,94.69 69.35,94.37 69.3,94.07 69.22,93.76 69.12,93.46 69.01,93.17 68.87,92.89 68.71,92.62 68.53,92.36 68.34,92.11 68.12,91.88 67.9,91.66 67.65,91.46 67.39,91.28 67.12,91.11 66.84,90.97 66.55,90.84 66.25,90.74 65.94,90.66 65.63,90.6 65.32,90.56 65,90.55 65,90.35 v1(65.35,90) ; 65.41,78.98 65.36,78.96 65,78.6 65,78.55 64.79,78.56 64.59,78.6 64.39,78.67 64.2,78.76 64.03,78.88 63.88,79.03 63.75,79.19 63.64,79.38 63.56,79.58 63.51,79.79 63.49,80 63.5,80.22 63.54,80.43 63.61,80.64 63.71,80.83 63.84,81.01 63.99,81.17 64.16,81.31 64.35,81.42 64.56,81.5 64.78,81.55 65,81.58 65.22,81.56 65.45,81.52 65.66,81.45 65.86,81.34 66.05,81.21 66.22,81.05 66.36,80.87 66.47,80.67 66.56,80.46 66.62,80.23 66.64,80 66.63,79.77 66.58,79.54 66.51,79.31 66.4,79.1 66.26,78.91 66.09,78.74 65.91,78.59 65.7,78.47 65.48,78.38 65.24,78.32 65,78.3 64.78,78.31 64.56,78.35 64.34,78.41 64.14,78.51 63.95,78.63 63.78,78.78 63.62,78.94 63.49,79.13 63.39,79.33 63.31,79.55 63.26,79.77 63.24,80 63.25,80.23 63.29,80.46 63.36,80.68 63.46,80.89 63.58,81.09 63.73,81.27 63.9,81.43 64.1,81.56 64.31,81.67 64.53,81.75 64.76,81.8 65,81.83 65.24,81.81 65.48,81.77 65.7,81.7 65.92,81.6 66.13,81.47 66.31,81.31 66.48,81.13 66.62,80.93 66.73,80.72 66.81,80.49 66.87,80.25 66.89,80 66.88,79.75 66.83,79.51 66.76,79.27 66.65,79.05 66.52,78.84 66.36,78.64 66.17,78.47 65.96,78.33 65.74,78.21 65.5,78.13 65.25,78.07 65,78.05 64.76,78.06 64.53,78.1 64.3,78.16 64.08,78.26 63.88,78.38 63.69,78.52 63.52,78.68 63.36,78.87 63.24,79.07 63.13,79.29 63.06,79.52 63.01,79.76 62.99,80 63,80.24 63.04,80.48 63.1,80.72 63.2,80.94 63.32,81.16 63.47,81.35 63.64,81.53 63.83,81.69 64.04,81.82 64.27,81.93 64.51,82.01 64.75,82.06 65,82.08 65.25,82.06 65.5,82.02 65.74,81.95 65.97,81.85 66.19,81.73 66.4,81.57 66.58,81.4 66.74,81.2 66.88,80.98 66.99,80.75 67.07,80.51 67.12,80.26 67.14,80 67.13,79.74 67.08,79.49 67.01,79.24 66.91,79 66.78,78.77 66.62,78.56 66.44,78.37 66.24,78.21 66.01,78.07 65.78,77.96 65.52,77.87 65.26,77.82 65,77.8 64.75,77.81 64.51,77.85 64.27,77.91 64.04,78 63.82,78.12 63.61,78.26 63.42,78.42 63.25,78.61 63.1,78.81 62.98,79.03 62.88,79.26 62.8,79.5 62.76,79.75 62.74,80 62.75,80.25 62.79,80.51 62.85,80.75 62.95,80.99 63.07,81.22 63.21,81.43 63.38,81.62 63.57,81.8 63.77,81.95 64,82.08 64.24,82.18 64.48,82.26 64.74,82.31 65,82.33 65.26,82.31 65.52,82.28 65.77,82.21 66.02,82.11 66.25,81.99 66.47,81.84 66.67,81.67 66.85,81.47 67,81.26 67.13,81.03 67.24,80.78 67.32,80.53 67.37,80.27 67.39,80 67.38,79.73 67.34,79.47 67.27,79.21 67.17,78.96 67.04,78.72 66.89,78.49 66.71,78.29 66.51,78.11 66.29,77.94 66.06,77.81 65.8,77.7 65.54,77.62 65.27,77.57 65,77.55 64.74,77.56 64.49,77.6 64.24,77.66 64,77.75 63.76,77.86 63.55,78 63.34,78.16 63.15,78.34 62.99,78.54 62.84,78.75 62.72,78.98 62.62,79.23 62.55,79.48 62.51,79.74 62.49,80 62.5,80.26 62.53,80.52 62.6,80.78 62.69,81.03 62.81,81.27 62.95,81.49 63.11,81.7 63.3,81.89 63.5,82.06 63.72,82.21 63.96,82.34 64.21,82.44 64.47,82.51 64.73,82.56 65,82.58 65.27,82.57 65.54,82.53 65.8,82.46 66.05,82.37 66.3,82.25 66.53,82.1 66.74,81.94 66.94,81.75 67.11,81.54 67.27,81.31 67.39,81.07 67.5,80.81 67.57,80.55 67.62,80.28 67.64,80 67.63,79.72 67.59,79.45 67.52,79.18 67.42,78.92 67.3,78.67 67.15,78.44 66.98,78.22 66.79,78.02 66.57,77.84 66.34,77.68 66.09,77.55 65.83,77.44 65.56,77.37 65.28,77.32 65,77.3 64.73,77.31 64.47,77.34 64.21,77.41 63.96,77.49 63.72,77.6 63.49,77.74 63.27,77.89 63.07,78.07 62.89,78.26 62.72,78.48 62.58,78.71 62.46,78.95 62.37,79.2 62.3,79.46 62.25,79.73 62.24,80 62.25,80.27 62.28,80.54 62.35,80.81 62.43,81.06 62.55,81.31 62.68,81.55 62.84,81.77 63.02,81.98 63.23,82.16 63.44,82.33 63.68,82.47 63.92,82.6 64.18,82.69 64.45,82.76 64.72,82.81 65,82.83 65.28,82.82 65.55,82.78 65.82,82.71 66.09,82.62 66.34,82.51 66.58,82.37 66.81,82.2 67.02,82.02 67.21,81.81 67.38,81.59 67.53,81.35 67.65,81.1 67.75,80.83 67.82,80.56 67.87,80.28 67.89,80 67.88,79.72 67.84,79.44 67.77,79.16 67.68,78.89 67.56,78.63 67.42,78.38 67.25,78.15 67.06,77.94 66.85,77.74 66.63,77.57 66.38,77.42 66.12,77.29 65.85,77.19 65.57,77.11 65.29,77.07 65,77.05 64.73,77.06 64.46,77.09 64.19,77.15 63.93,77.24 63.68,77.34 63.44,77.47 63.21,77.63 62.99,77.8 62.8,77.99 62.62,78.2 62.46,78.43 62.32,78.67 62.2,78.92 62.11,79.18 62.05,79.45 62,79.72 61.99,80 62,80.28 62.03,80.55 62.09,80.83 62.18,81.09 62.29,81.35 62.42,81.6 62.58,81.83 62.75,82.05 62.95,82.25 63.16,82.43 63.39,82.6 63.64,82.74 63.89,82.85 64.16,82.95 64.44,83.02 64.72,83.06 65,83.08 65.28,83.07 65.57,83.03 65.84,82.97 66.12,82.88 66.38,82.77 66.63,82.63 66.87,82.47 67.09,82.29 67.3,82.09 67.48,81.88 67.65,81.64 67.79,81.39 67.91,81.13 68.01,80.86 68.08,80.58 68.12,80.29 68.14,80 68.13,79.71 68.09,79.42 68.03,79.14 67.94,78.86 67.83,78.59 67.69,78.34 67.52,78.09 67.34,77.87 67.14,77.66 66.91,77.47 66.67,77.3 66.42,77.15 66.15,77.03 65.87,76.93 65.59,76.86 65.29,76.82 65,76.8 64.72,76.81 64.44,76.84 64.17,76.9 63.9,76.98 63.64,77.08 63.39,77.21 63.15,77.36 62.93,77.53 62.72,77.72 62.52,77.92 62.35,78.14 62.19,78.38 62.06,78.63 61.95,78.89 61.86,79.16 61.79,79.43 61.75,79.72 61.74,80 61.75,80.28 61.78,80.57 61.84,80.85 61.92,81.12 62.03,81.39 62.16,81.64 62.31,81.89 62.48,82.11 62.67,82.33 62.88,82.53 63.11,82.7 63.35,82.86 63.6,83 63.87,83.11 64.14,83.2 64.42,83.27 64.71,83.31 65,83.33 65.29,83.32 65.58,83.28 65.86,83.22 66.14,83.14 66.41,83.03 66.67,82.9 66.92,82.74 67.16,82.57 67.37,82.37 67.57,82.16 67.75,81.93 67.92,81.68 68.05,81.42 68.17,81.15 68.26,80.87 68.33,80.59 68.37,80.29 68.39,80 68.38,79.7 68.34,79.41 68.28,79.12 68.2,78.84 68.09,78.56 67.95,78.3 67.79,78.04 67.62,77.8 67.42,77.58 67.2,77.38 66.96,77.19 66.71,77.03 66.45,76.89 66.18,76.77 65.89,76.68 65.6,76.61 65.3,76.57 65,76.55 64.71,76.56 64.43,76.59 64.15,76.65 63.88,76.72 63.61,76.83 63.35,76.95 63.1,77.09 62.86,77.26 62.64,77.44 62.44,77.64 62.25,77.86 62.08,78.09 61.93,78.34 61.8,78.6 61.69,78.86 61.6,79.14 61.54,79.42 61.5,79.71 61.49,80 61.5,80.29 61.53,80.58 61.59,80.86 61.67,81.14 61.77,81.42 61.89,81.68 62.04,81.93 62.21,82.17 62.39,82.4 62.6,82.61 62.82,82.8 63.06,82.97 63.31,83.13 63.57,83.26 63.84,83.37 64.12,83.46 64.41,83.52 64.71,83.56 65,83.58 65.3,83.57 65.59,83.53 65.88,83.48 66.17,83.39 66.44,83.29 66.71,83.16 66.97,83.01 67.21,82.84 67.44,82.65 67.65,82.44 67.85,82.22 68.03,81.98 68.18,81.72 68.32,81.45 68.43,81.18 68.52,80.89 68.58,80.6 68.62,80.3 68.64,80 68.63,79.7 68.59,79.4 68.54,79.1 68.45,78.81 68.35,78.53 68.22,78.26 68.06,78 67.89,77.75 67.7,77.52 67.49,77.3 67.26,77.1 67.01,76.92 66.75,76.76 66.48,76.63 66.2,76.51 65.91,76.42 65.61,76.36 65.31,76.32 65,76.3 64.71,76.31 64.42,76.34 64.13,76.39 63.85,76.47 63.58,76.57 63.31,76.69 63.06,76.83 62.81,76.99 62.58,77.17 62.36,77.36 62.16,77.57 61.98,77.8 61.81,78.05 61.66,78.3 61.54,78.57 61.43,78.84 61.35,79.12 61.29,79.41 61.25,79.71 61.24,80 61.25,80.3 61.28,80.59 61.33,80.88 61.41,81.17 61.51,81.45 61.63,81.72 61.77,81.98 61.94,82.23 62.12,82.46 62.32,82.68 62.53,82.89 62.77,83.07 63.01,83.24 63.27,83.39 63.54,83.52 63.82,83.63 64.11,83.71 64.4,83.77 64.7,83.81 65,83.83 65.3,83.82 65.6,83.78 65.9,83.73 66.19,83.65 66.47,83.55 66.75,83.42 67.01,83.28 67.26,83.11 67.5,82.93 67.73,82.73 67.93,82.51 68.12,82.27 68.3,82.02 68.45,81.76 68.58,81.48 68.69,81.2 68.77,80.91 68.83,80.61 68.87,80.3 68.89,80 68.88,79.69 68.85,79.39 68.79,79.09 68.71,78.79 68.61,78.51 68.48,78.23 68.33,77.96 68.17,77.7 67.98,77.46 67.77,77.23 67.55,77.02 67.31,76.82 67.05,76.65 66.78,76.5 66.51,76.37 66.22,76.26 65.92,76.17 65.62,76.1 65.31,76.07 65,76.05 64.7,76.06 64.41,76.09 64.12,76.14 63.83,76.21 63.55,76.31 63.28,76.43 63.01,76.56 62.76,76.72 62.52,76.89 62.29,77.08 62.08,77.29 61.88,77.51 61.7,77.75 61.54,78 61.4,78.27 61.28,78.54 61.18,78.82 61.1,79.11 61.04,79.4 61,79.7 60.99,80 61,80.3 61.03,80.6 61.08,80.89 61.15,81.19 61.25,81.47 61.37,81.75 61.51,82.02 61.67,82.27 61.84,82.52 62.04,82.75 62.25,82.97 62.48,83.17 62.72,83.35 62.97,83.51 63.24,83.66 63.52,83.78 63.8,83.88 64.1,83.96 64.39,84.02 64.7,84.06 65,84.08 65.3,84.07 65.61,84.04 65.91,83.98 66.2,83.91 66.49,83.81 66.78,83.69 67.05,83.55 67.31,83.39 67.56,83.21 67.79,83.01 68.01,82.79 68.21,82.56 68.4,82.32 68.57,82.06 68.71,81.79 68.84,81.51 68.94,81.22 69.03,80.92 69.09,80.62 69.12,80.31 69.14,80 69.13,79.69 69.1,79.38 69.04,79.08 68.97,78.78 68.87,78.48 68.74,78.2 68.6,77.92 68.44,77.66 68.26,77.4 68.05,77.17 67.84,76.94 67.6,76.74 67.35,76.55 67.09,76.38 66.81,76.23 66.53,76.1 66.23,76 65.93,75.91 65.63,75.85 65.31,75.81 65,75.8 64.7,75.81 64.4,75.84 64.11,75.89 63.81,75.96 63.53,76.05 63.25,76.16 62.98,76.3 62.72,76.45 62.47,76.62 62.23,76.8 62.01,77.01 61.8,77.23 61.61,77.46 61.43,77.71 61.28,77.97 61.14,78.24 61.02,78.52 60.92,78.8 60.84,79.1 60.79,79.39 60.75,79.7 60.74,80 60.75,80.3 60.78,80.61 60.83,80.91 60.9,81.2 60.99,81.49 61.11,81.78 61.24,82.05 61.4,82.32 61.57,82.57 61.76,82.81 61.96,83.04 62.19,83.25 62.42,83.44 62.67,83.62 62.94,83.78 63.21,83.92 63.49,84.04 63.78,84.14 64.08,84.22 64.39,84.28 64.69,84.31 65,84.33 65.31,84.32 65.62,84.29 65.92,84.23 66.22,84.16 66.52,84.07 66.8,83.95 67.08,83.81 67.35,83.66 67.61,83.48 67.85,83.29 68.08,83.08 68.29,82.85 68.49,82.61 68.67,82.36 68.83,82.09 68.98,81.82 69.1,81.53 69.2,81.23 69.28,80.93 69.34,80.62 69.37,80.31 69.39,80 69.38,79.69 69.35,79.37 69.3,79.07 69.22,78.76 69.12,78.46 69.01,78.17 68.87,77.89 68.71,77.62 68.53,77.36 68.34,77.11 68.12,76.88 67.9,76.66 67.65,76.46 67.39,76.28 67.12,76.11 66.84,75.97 66.55,75.84 66.25,75.74 65.94,75.66 65.63,75.6 65.32,75.56 65,75.55 65,75.35 v1(65.35,75) ; 65.41,63.98 65.36,63.96 65,63.6 65,63.55 64.79,63.56 64.59,63.6 64.39,63.67 64.2,63.76 64.03,63.88 63.88,64.03 63.75,64.19 63.64,64.38 63.56,64.58 63.51,64.79 63.49,65 63.5,65.22 63.54,65.43 63.61,65.64 63.71,65.83 63.84,66.01 63.99,66.17 64.16,66.31 64.35,66.42 64.56,66.5 64.78,66.55 65,66.58 65.22,66.56 65.45,66.52 65.66,66.45 65.86,66.34 66.05,66.21 66.22,66.05 66.36,65.87 66.47,65.67 66.56,65.46 66.62,65.23 66.64,65 66.63,64.77 66.58,64.54 66.51,64.31 66.4,64.1 66.26,63.91 66.09,63.74 65.91,63.59 65.7,63.47 65.48,63.38 65.24,63.32 65,63.3 64.78,63.31 64.56,63.35 64.34,63.41 64.14,63.51 63.95,63.63 63.78,63.78 63.62,63.94 63.49,64.13 63.39,64.33 63.31,64.55 63.26,64.77 63.24,65 63.25,65.23 63.29,65.46 63.36,65.68 63.46,65.89 63.58,66.09 63.73,66.27 63.9,66.43 64.1,66.56 64.31,66.67 64.53,66.75 64.76,66.8 65,66.83 65.24,66.81 65.48,66.77 65.7,66.7 65.92,66.6 66.13,66.47 66.31,66.31 66.48,66.13 66.62,65.93 66.73,65.72 66.81,65.49 66.87,65.25 66.89,65 66.88,64.75 66.83,64.51 66.76,64.27 66.65,64.05 66.52,63.84 66.36,63.64 66.17,63.47 65.96,63.33 65.74,63.21 65.5,63.13 65.25,63.07 65,63.05 64.76,63.06 64.53,63.1 64.3,63.16 64.08,63.26 63.88,63.38 63.69,63.52 63.52,63.68 63.36,63.87 63.24,64.07 63.13,64.29 63.06,64.52 63.01,64.76 62.99,65 63,65.24 63.04,65.48 63.1,65.72 63.2,65.94 63.32,66.16 63.47,66.35 63.64,66.53 63.83,66.69 64.04,66.82 64.27,66.93 64.51,67.01 64.75,67.06 65,67.08 65.25,67.06 65.5,67.02 65.74,66.95 65.97,66.85 